# Altium PCB SFPP.PcbDoc (part 1 of 4)
Units mil, origin at the board's own origin, x right, y up, seen from the top; angles counter-clockwise.
Board outline 3543.31 x 4228.35 mil, 8 copper layers (L1_S1, L2_PGND, L3_S2, L4_P1V2, L5_P1V8, L6_S3, L7_PGND, L8_S4), stack 62.6 mil thick; 259 components, 249 nets, 1382 pads, 813 vias.
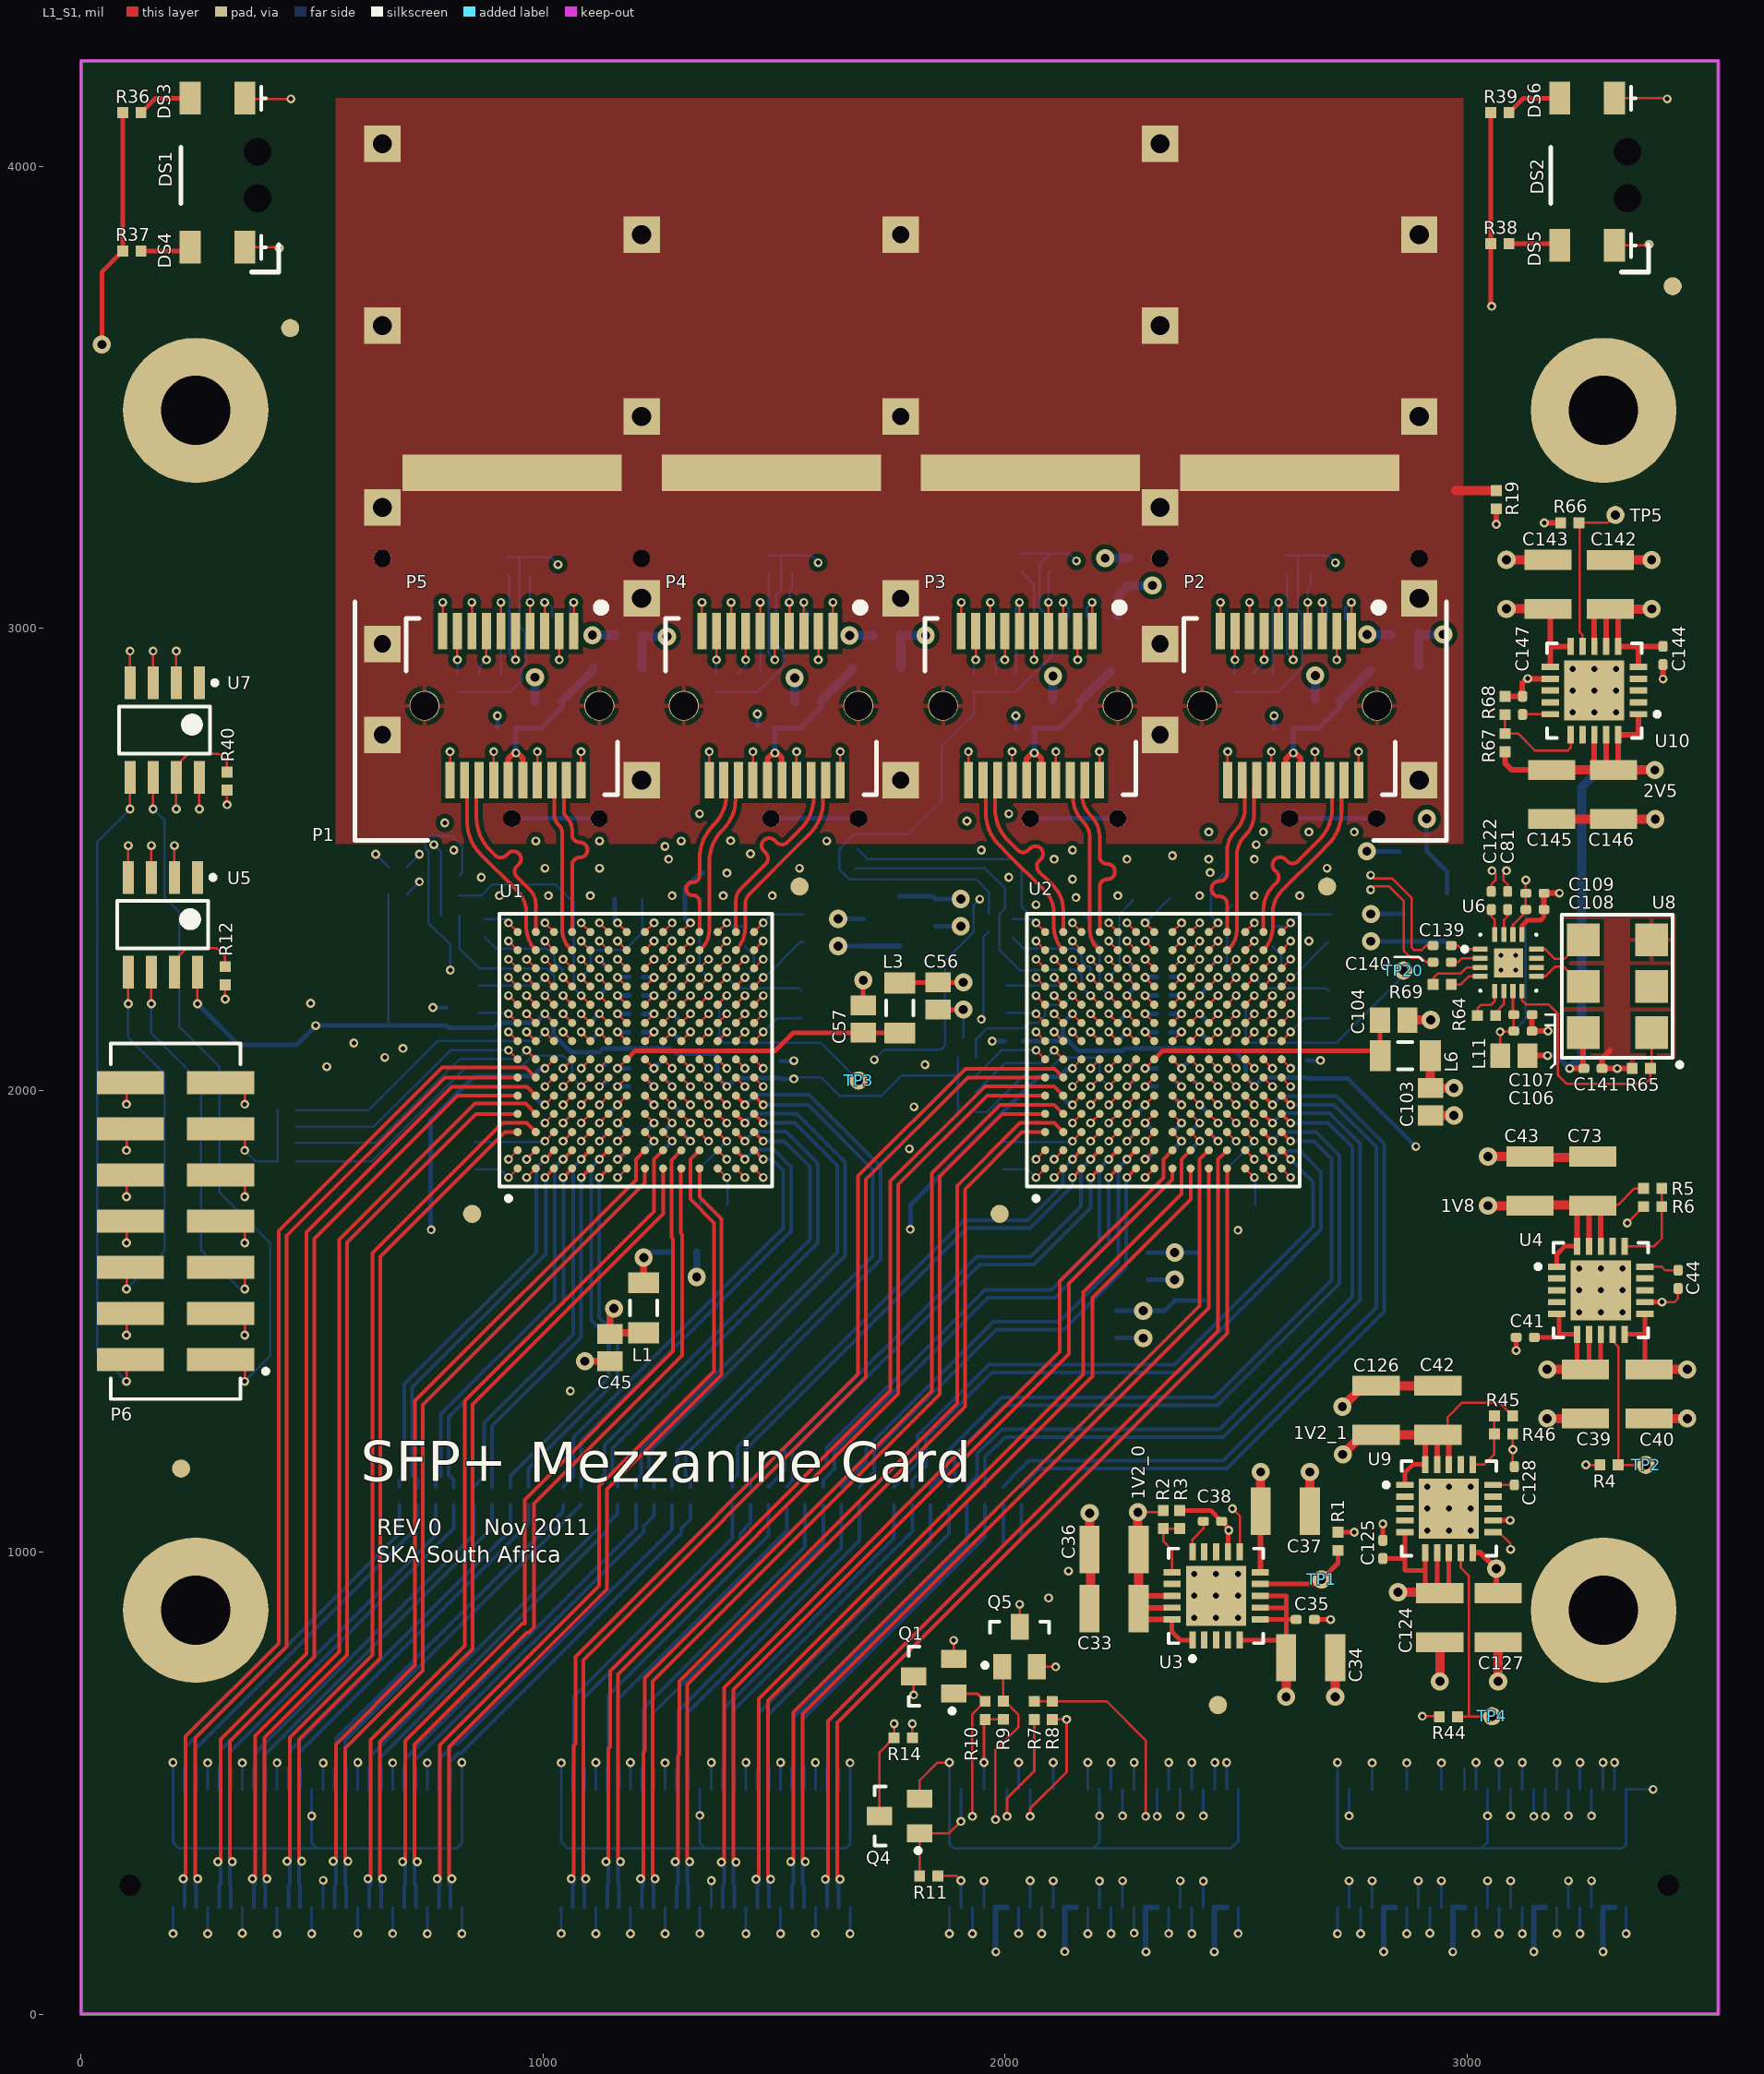
[diagram p0: L1_S1 view]
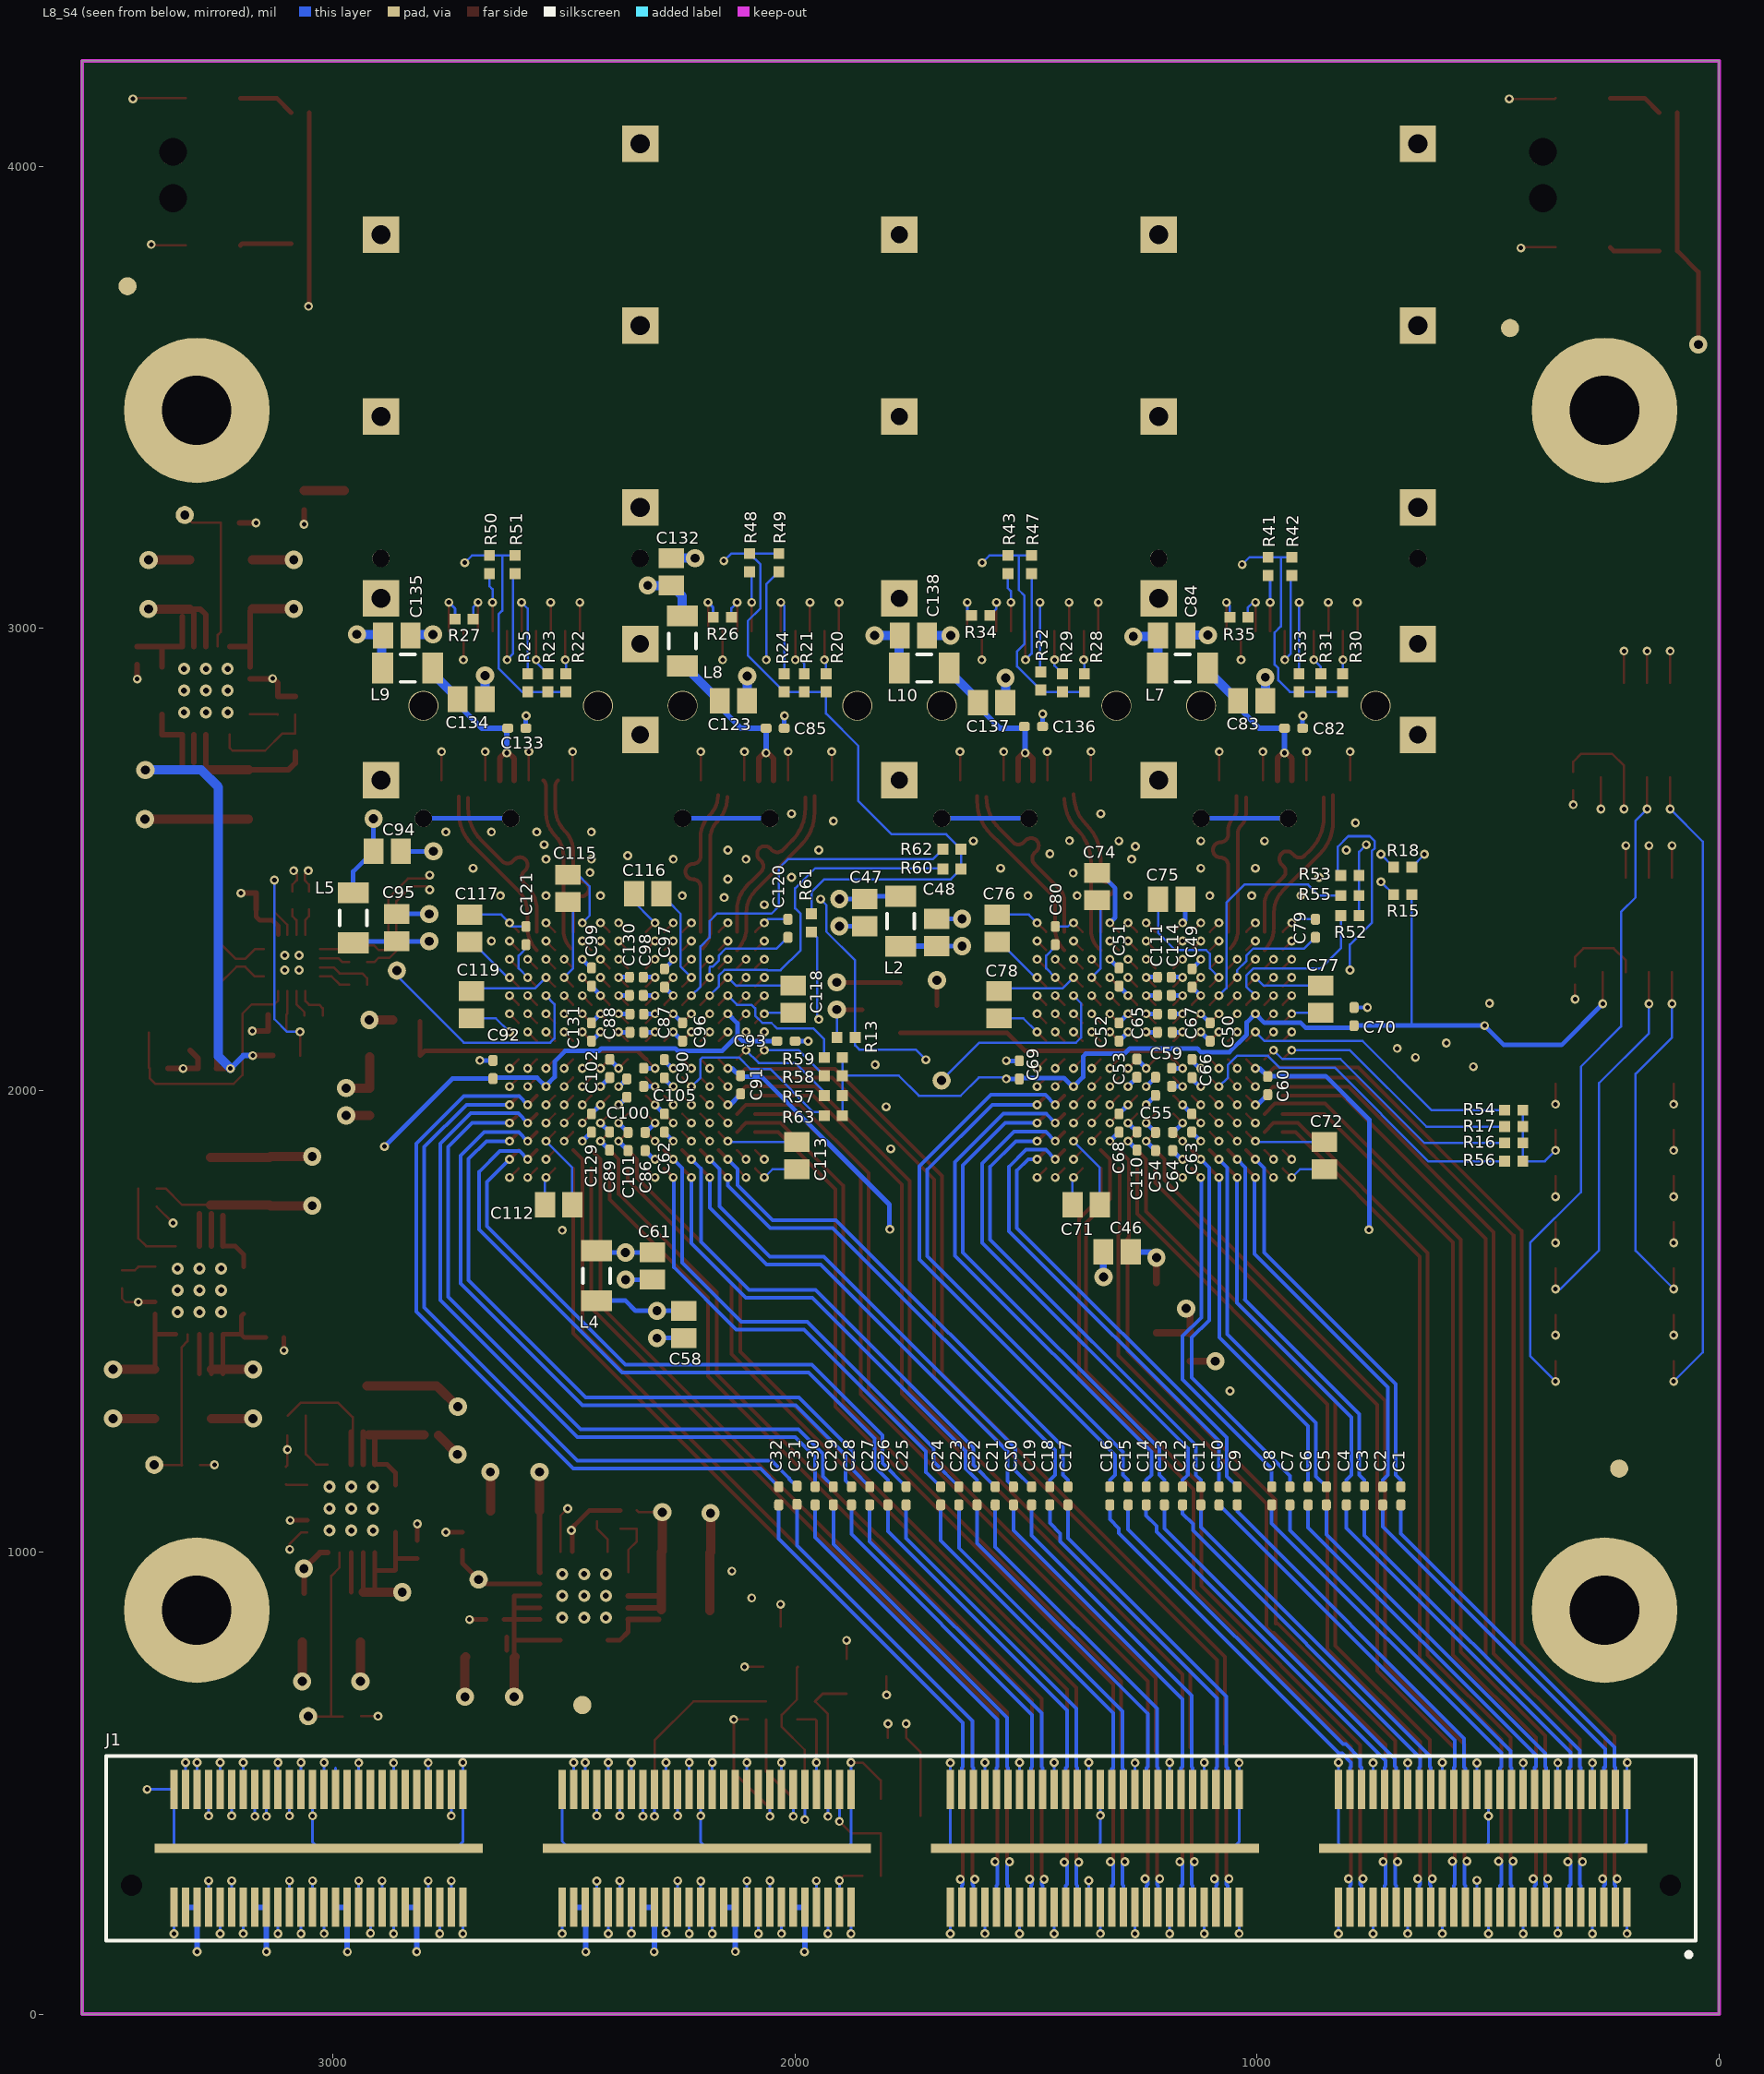
[diagram p1: L8_S4 view, seen from below]
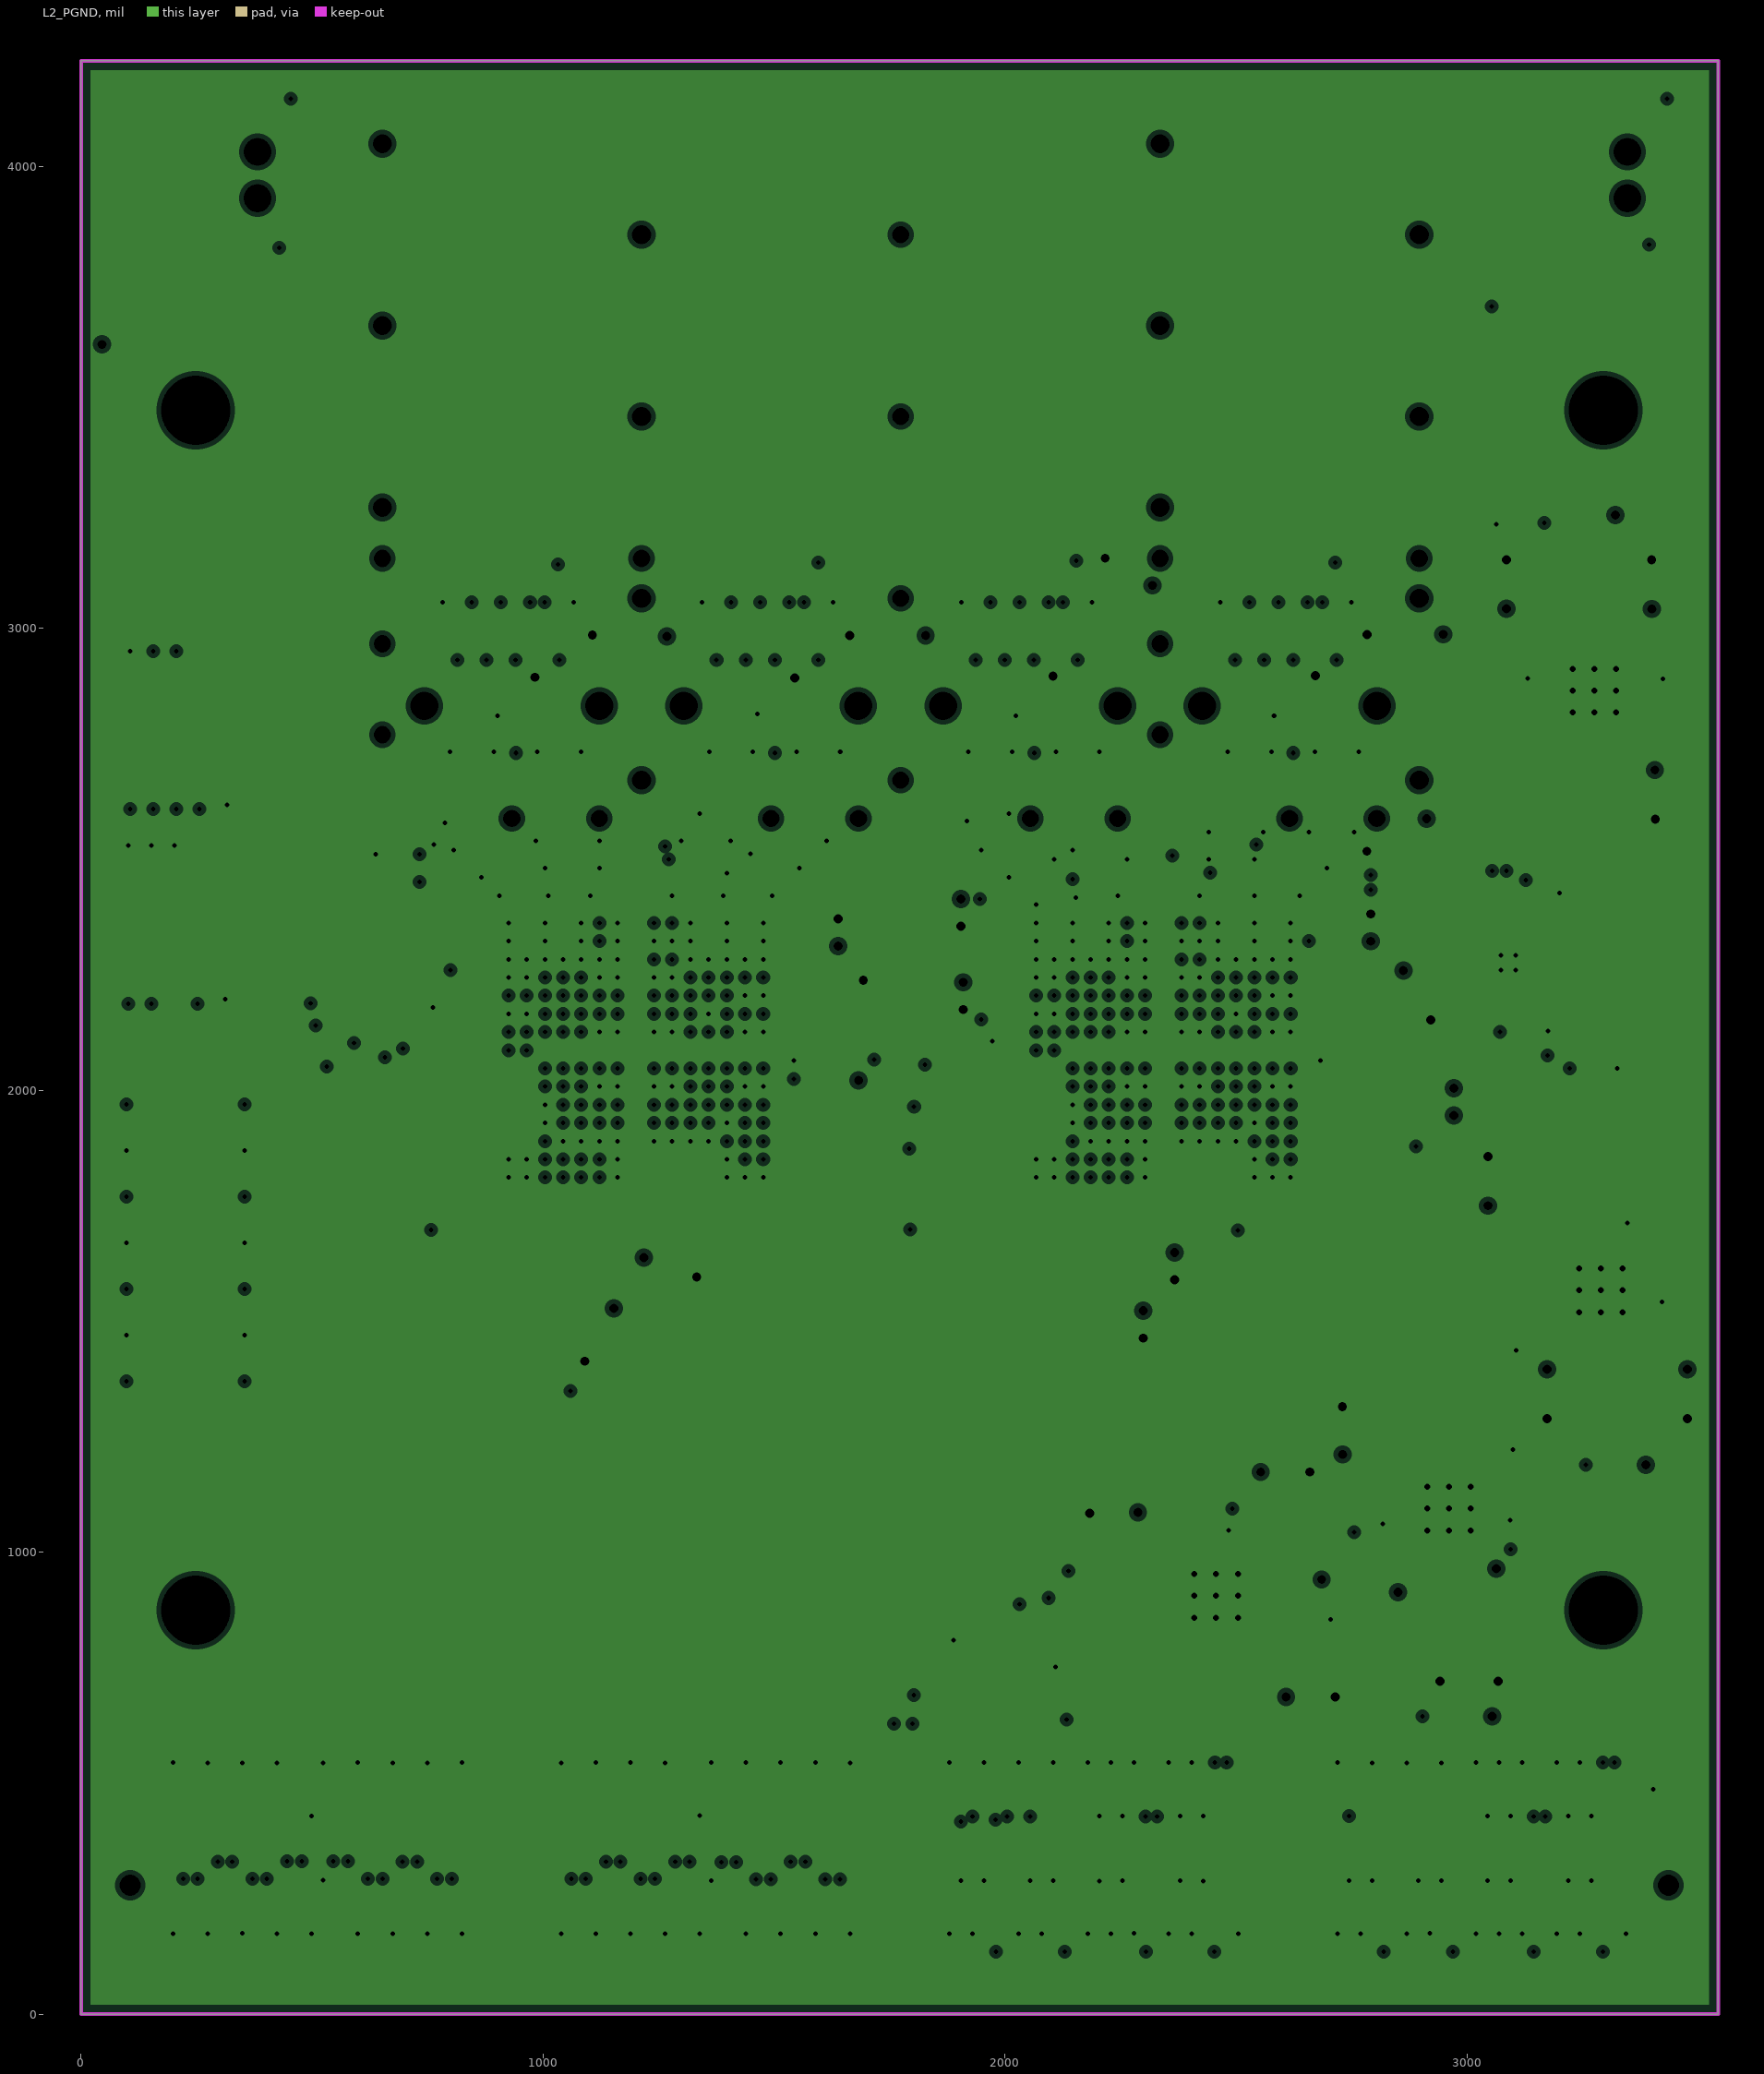
[diagram p2: L2_PGND, clearances drawn from the general rule]
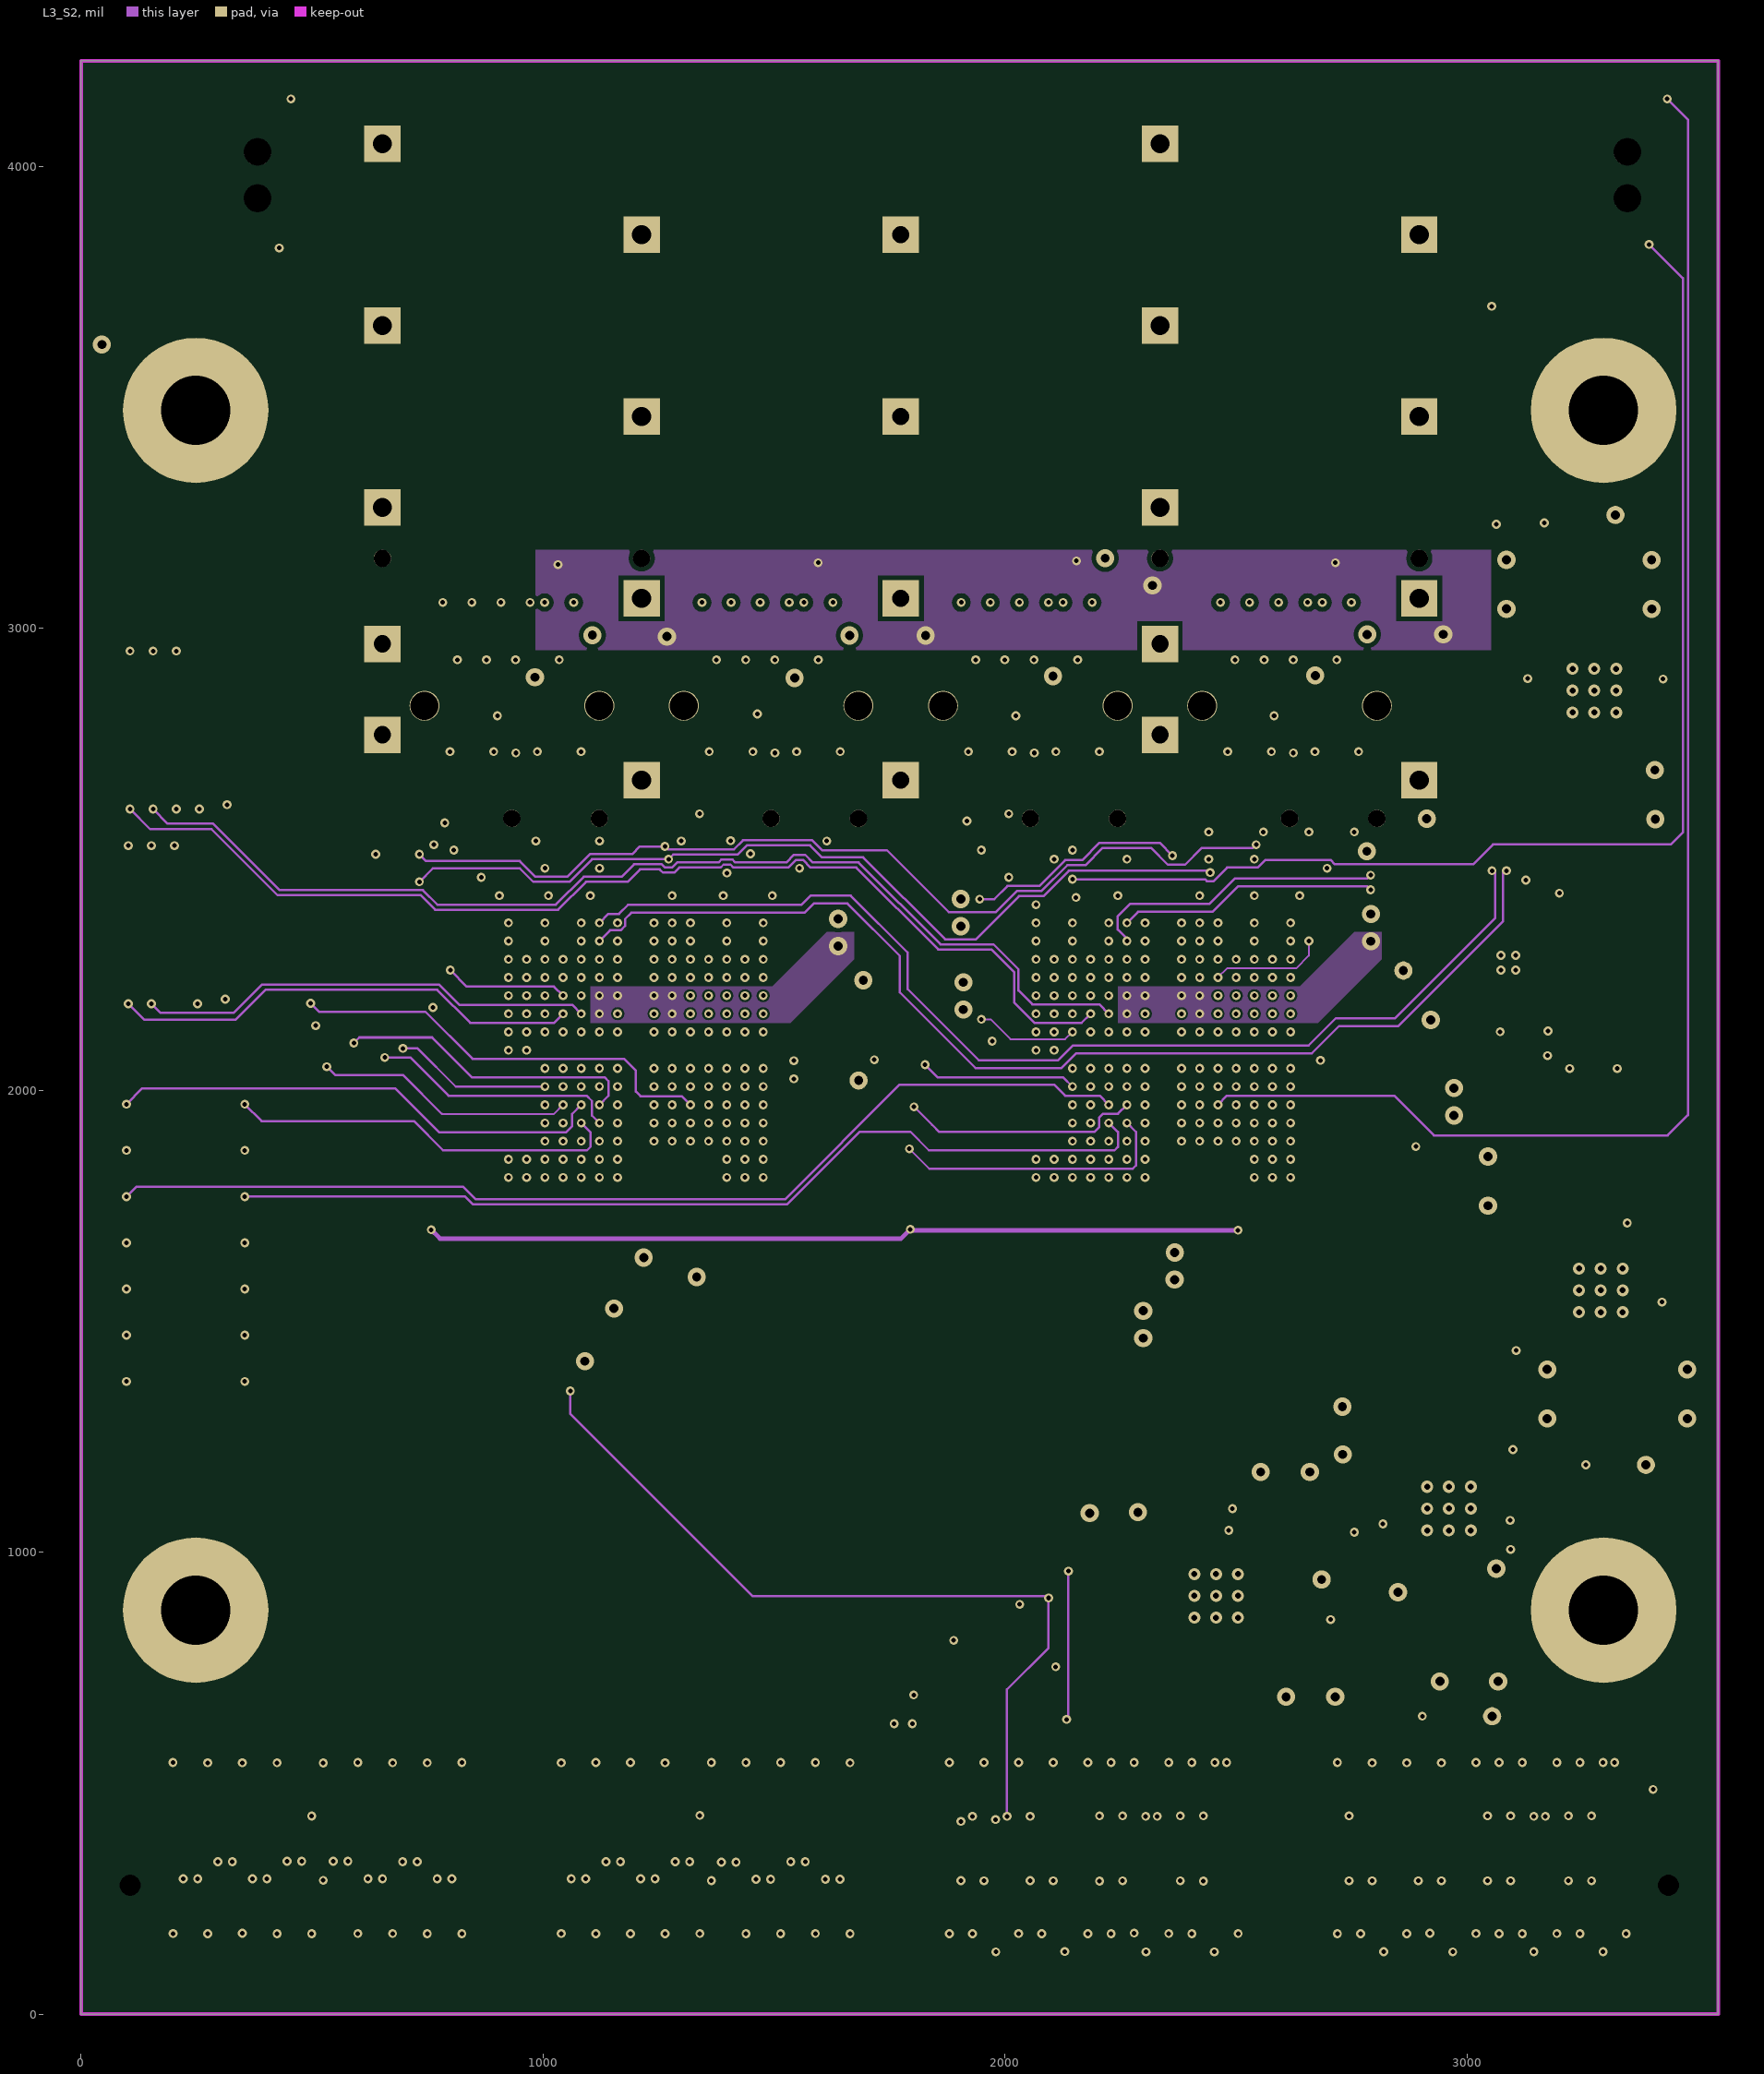
[diagram p3: L3_S2]